# Altium PCB bms_R00.PcbDoc (part 1 of 3) (continued)
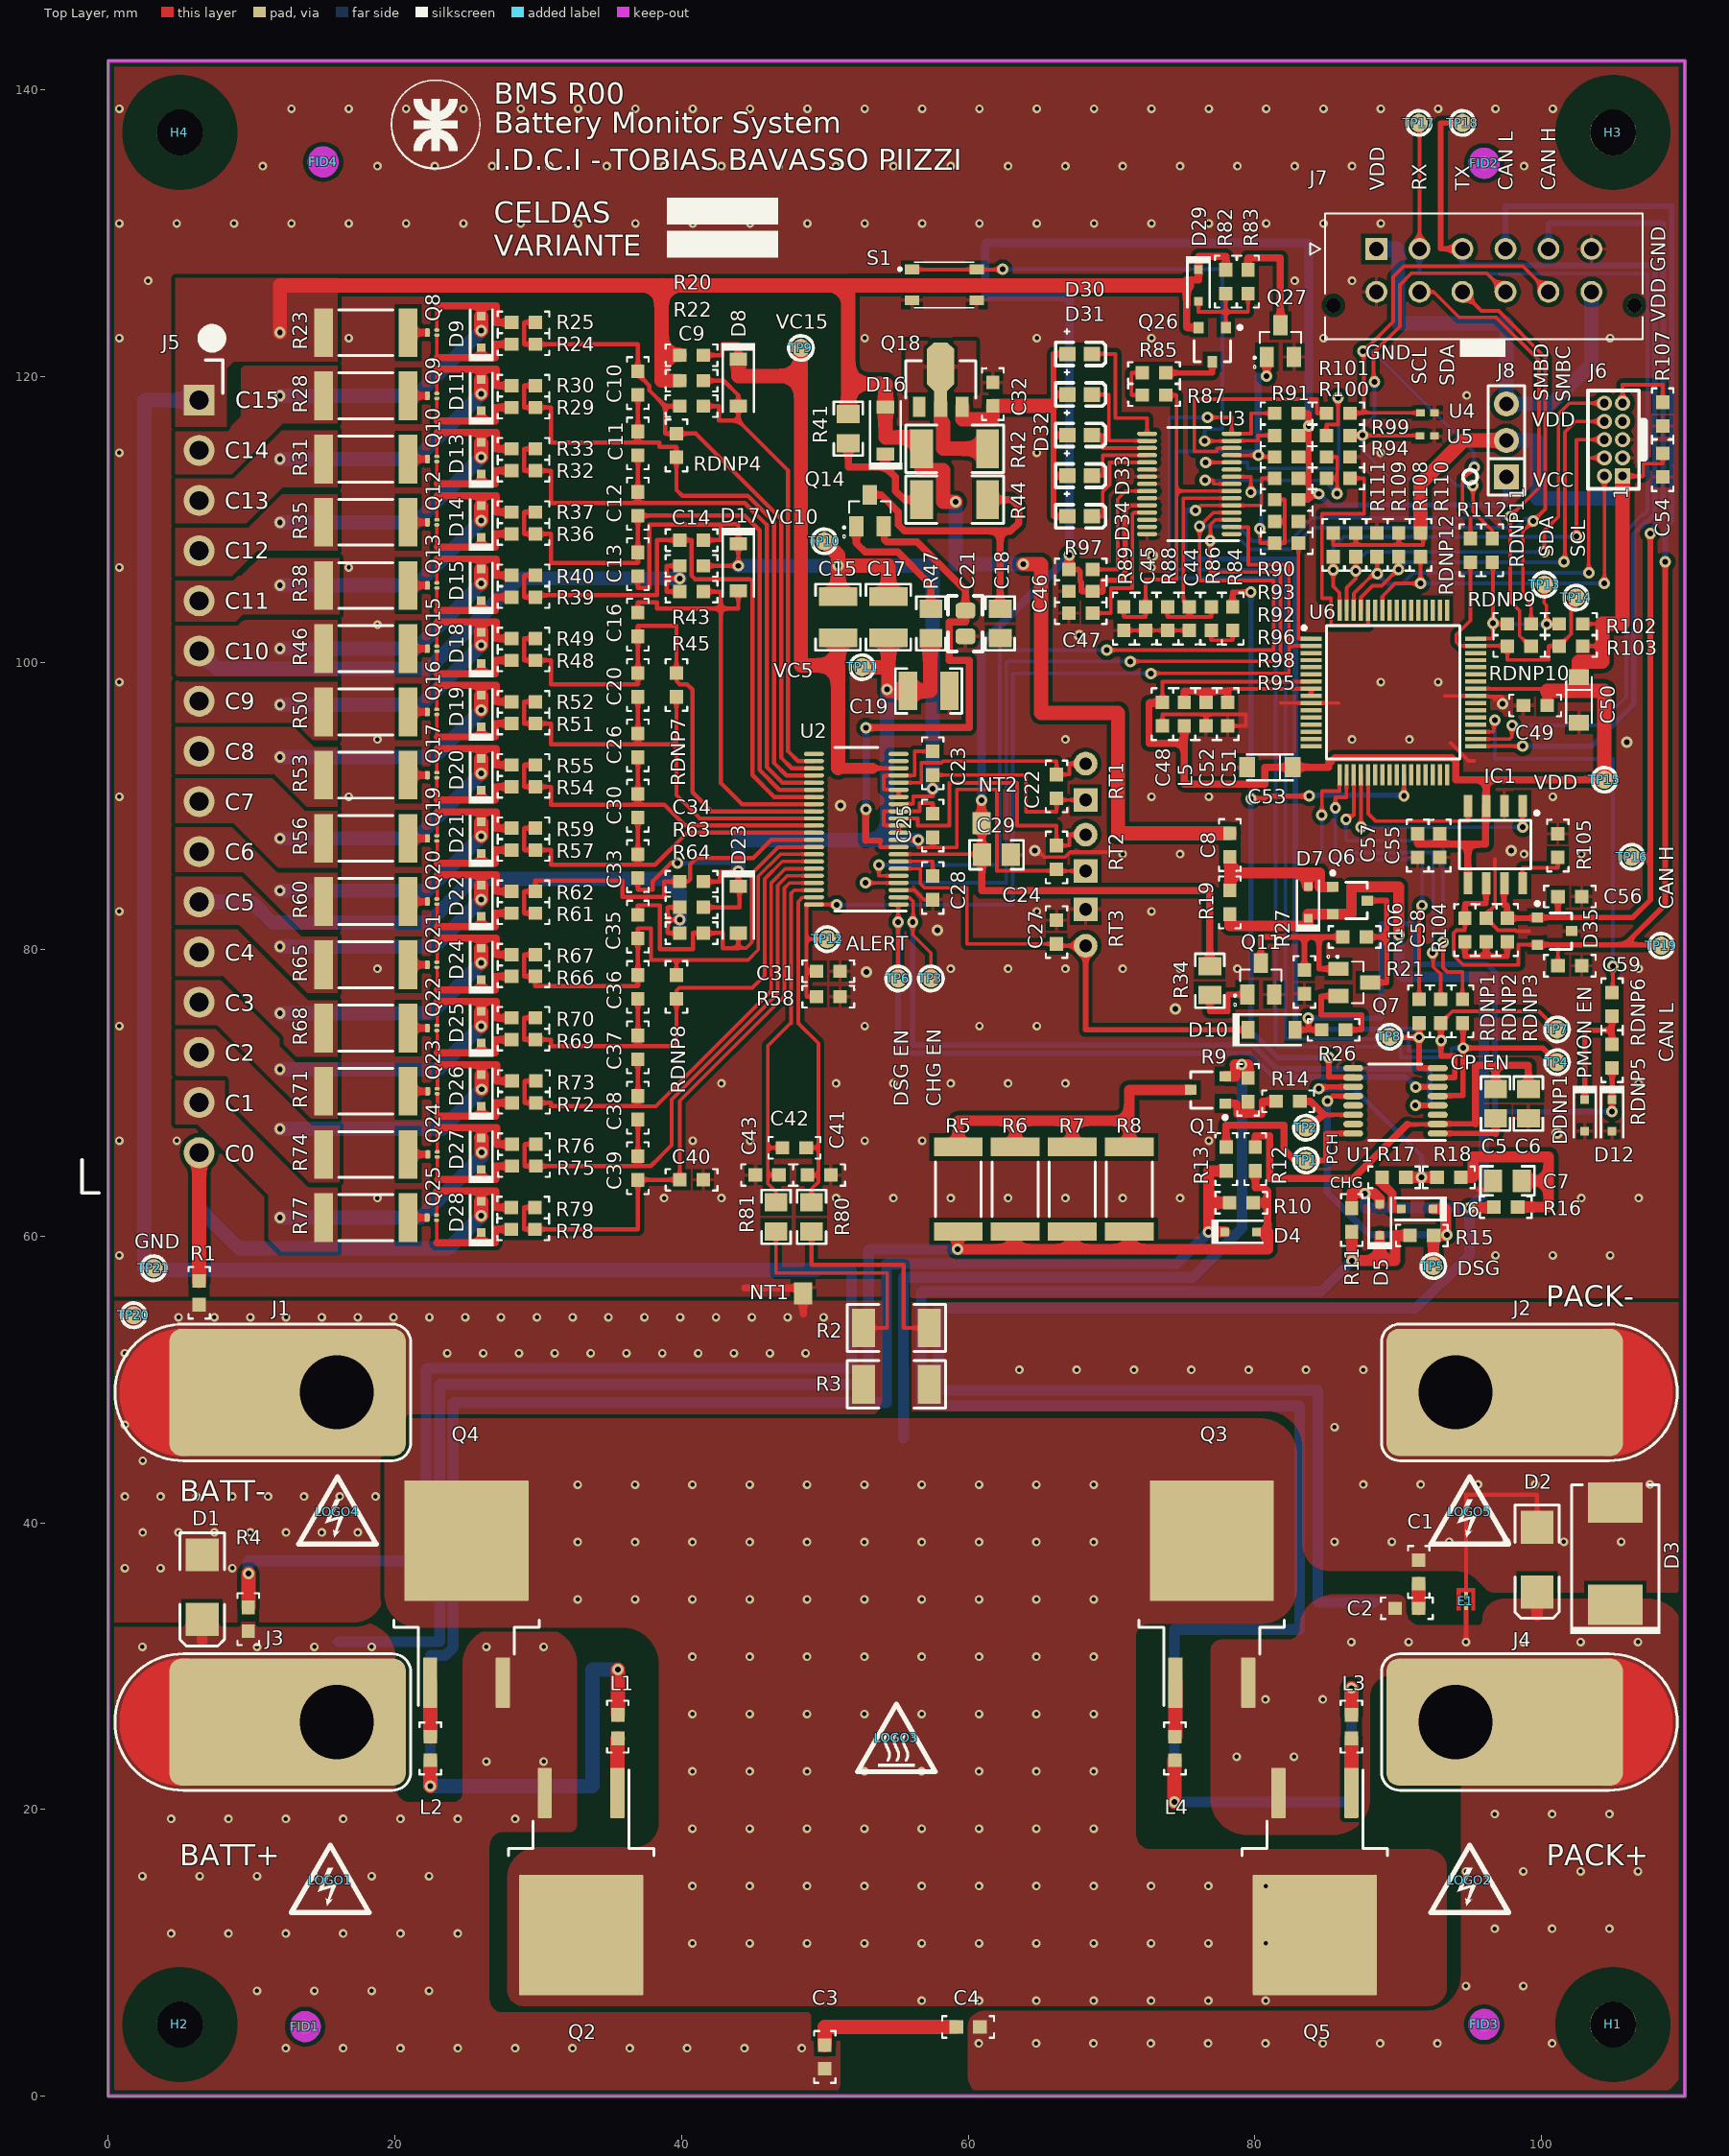
[diagram p0: Top Layer view]
## Components (designator, comment, footprint, x,y, rotation, side; value= is the part's Value field where it differs from the comment) (continued)
LOGO4 "DANGER HIGH VOLTAGE" IEC_HighVoltage_Small 16.002,40.742 r0 top
LOGO5 "DANGER HIGH VOLTAGE" IEC_HighVoltage_Small 95,40.742 r0 top
NT1 "Net-Tie" Net-Tie_50milWide_30milLong 48.489,56.007 r270 top net-tie
NT2 "Net-Tie" Net-Tie_50milWide_30milLong 60.935,88.798 r90 top net-tie
Q1 "ZXMP10A13FTA" SOT-23#1 76.733,70.206 r90 top value=-100V
Q2 "CSD19536KTT" KTT0002A_N 33,15 r270 top value=100V
Q3 "CSD19536KTT" KTT0002A_N 77,35 r90 top value=100V
Q4 "CSD19536KTT" KTT0002A_N 25,35 r90 top value=100V
Q5 "CSD19536KTT" KTT0002A_N 84.19,15 r270 top value=100V
Q6 "ZXMP10A13FTA" SOT-23#1 86.639,83.414 r270 top value=-100V
Q7 "BSS123" SOT-23#2 86.936,77.699 r270 top value=100V
Q8 "CSD13381F4" YJC0003A 22.606,123.038 r180 top value=12V
Q9 "CSD13381F4" YJC0003A 22.606,118.627 r180 top value=12V
Q10 "CSD13381F4" YJC0003A 22.606,114.217 r180 top value=12V
Q11 "BSS123" SOT-23#2 80.416,77.953 r0 top value=100V
Q12 "CSD13381F4" YJC0003A 22.606,109.806 r180 top value=12V
Q13 "CSD13381F4" YJC0003A 22.606,105.395 r180 top value=12V
Q14 "BST82,215" SOT-23#2 53.147,110.617 r0 top value=100V
Q15 "CSD13381F4" YJC0003A 22.606,100.985 r180 top value=12V
Q16 "CSD13381F4" YJC0003A 22.606,96.574 r180 top value=12V
Q17 "CSD13381F4" YJC0003A 22.606,92.164 r180 top value=12V
Q18 "ZXTN19100CZTA" SOT-89-3 58.086,119.761 r90 top value="100 V"
Q19 "CSD13381F4" YJC0003A 22.606,87.753 r180 top value=12V
Q20 "CSD13381F4" YJC0003A 22.606,83.343 r180 top value=12V
Q21 "CSD13381F4" YJC0003A 22.606,78.932 r180 top value=12V
Q22 "CSD13381F4" YJC0003A 22.606,74.522 r180 top value=12V
Q23 "CSD13381F4" YJC0003A 22.631,70.111 r180 top value=12V
Q24 "CSD13381F4" YJC0003A 22.631,65.701 r180 top value=12V
Q25 "CSD13381F4" YJC0003A 22.581,61.29 r180 top value=12V
Q26 "ZXMP10A13FTA" SOT-23#1 77.038,122.192 r180 top value=-100V
Q27 "BSS123" SOT-23#2 81.788,122.445 r0 top value=100V
R1 "0R" R0603 6.35,56.046 r90 top
R2 "1.0mR" 2010 55,53.594 r0 top
R3 "1.0mR" 2010 55,49.657 r0 top
R4 "0R" R0603 9.779,33.274 r90 top
R5 "1.2K" 2512 59.309,63.272 r270 top
R6 "1.2K" 2512 63.288,63.272 r270 top
R7 "1.2K" 2512 67.268,63.272 r270 top
R8 "1.2K" 2512 71.247,63.272 r270 top
R9 "10.0M" R0603 79.527,70.206 r90 top
R10 "10.0M" R0603 79.058,62.332 r0 top
R11 "10.0M" R0603 86.766,61.125 r90 top
R12 "100.0R" R0603 80.035,65.38 r270 top
R13 "620.0R" R0603 78.003,65.38 r90 top
R14 "620.0R" R0603 82.321,69.405 r0 top
R15 "620.0R" R0603 91.655,60.046 r0 top
R16 "100.0R" R0603 97.511,62.027 r180 top
R17 "100.0R" R0603 89.713,64.11 r180 top
R18 "0R" R0603 93.542,64.11 r180 top
R19 "10.0M" R0603 78.257,83.287 r270 top
R20 "1.0K" R0603 40.704,121.463 r0 top
R21 "1.0M" R0603 86.956,80.874 r0 top
R22 "1.0K" R0603 40.704,119.685 r0 top
R23 "28.7R" 2512 17.983,123.038 r180 top
R24 "10.0K" R0603 28.981,122.225 r0 top
R25 "1.0K" R0603 28.981,123.749 r0 top
R26 "51.0K" R0603 85.496,74.397 r0 top
R27 "10.0M" R0603 83.464,77.737 r90 top
R28 "28.7R" 2512 17.983,118.627 r180 top
R29 "10.0K" R0603 28.981,117.814 r0 top
R30 "1.0K" R0603 28.981,119.338 r0 top
R31 "28.7R" 2512 17.983,114.217 r180 top
R32 "10.0K" R0603 28.981,113.404 r0 top
R33 "1.0K" R0603 28.981,114.928 r0 top
R34 "100.0K" 0805_HV_2 76.86,77.826 r90 top
R35 "28.7R" 2512 17.983,109.806 r180 top
R36 "10.0K" R0603 28.981,108.993 r0 top
R37 "1.0K" R0603 28.981,110.517 r0 top
R38 "28.7R" 2512 17.983,105.395 r180 top
R39 "10.0K" R0603 28.981,104.583 r0 top
R40 "1.0K" R0603 28.981,106.107 r0 top
R41 "100.0K" 0805_HV_2 51.645,116.332 r90 top
R42 "750.0R" 2010 59.055,114.935 r180 top
R43 "1.0K" R0603 40.704,106.764 r0 top
R44 "1.00K" 2010 59.055,111.379 r180 top
R45 "1.0K" R0603 40.704,104.969 r0 top
R46 "28.7R" 2512 17.983,100.985 r180 top
R47 "100.0K" 0805_HV_2 57.404,102.743 r90 top
R48 "10.0K" R0603 28.981,100.172 r0 top
R49 "1.0K" R0603 28.981,101.696 r0 top
R50 "28.7R" 2512 17.983,96.574 r180 top
R51 "10.0K" R0603 28.981,95.762 r0 top
R52 "1.0K" R0603 28.981,97.286 r0 top
R53 "28.7R" 2512 17.983,92.164 r180 top
R54 "10.0K" R0603 28.981,91.351 r0 top
R55 "1.0K" R0603 28.981,92.875 r0 top
R56 "28.7R" 2512 17.983,87.753 r180 top
R57 "10.0K" R0603 28.981,86.941 r0 top
R58 "499.0K" R0603 50.241,76.708 r180 top
R59 "1.0K" R0603 28.981,88.465 r0 top
R60 "28.7R" 2512 17.983,83.343 r180 top
R61 "10.0K" R0603 28.981,82.53 r0 top
R62 "1.0K" R0603 28.981,84.054 r0 top
R63 "1.0K" R0603 40.704,82.939 r0 top
R64 "1.0K" R0603 40.704,81.143 r0 top
R65 "28.7R" 2512 17.983,78.932 r180 top
R66 "10.0K" R0603 28.981,78.12 r0 top
R67 "1.0K" R0603 28.981,79.644 r0 top
R68 "28.7R" 2512 17.983,74.522 r180 top
R69 "10.0K" R0603 28.981,73.709 r0 top
R70 "1.0K" R0603 28.981,75.233 r0 top
R71 "28.7R" 2512 17.983,70.111 r180 top
R72 "10.0K" R0603 29.007,69.298 r0 top
R73 "1.0K" R0603 29.007,70.822 r0 top
R74 "28.7R" 2512 17.983,65.701 r180 top
R75 "10.0K" R0603 29.007,64.888 r0 top
R76 "1.0K" R0603 29.007,66.412 r0 top
R77 "28.7R" 2512 17.983,61.29 r180 top
R78 "10.0K" R0603 28.956,60.477 r0 top
R79 "1.0K" R0603 28.956,62.001 r0 top
R80 "1.0K" 0805_HV_2 49.073,61.341 r90 top
R81 "1.0K" 0805_HV_2 46.596,61.341 r90 top
R82 "100.0K" R0603 77.978,126.594 r270 top
R83 "220.0K" R0603 79.527,126.594 r270 top
R84 "300.0K 25ppm/°C" R0603 78.46,103.085 r270 top
R85 "300.0K 25ppm/°C" R0603 72.974,120.23 r180 top
R86 "300.0K 25ppm/°C" R0603 76.962,103.085 r90 top
R87 "300.0K 25ppm/°C" R0603 72.974,118.681 r0 top
R88 "100.0K" R0603 73.914,103.085 r270 top
R89 "100.0K" R0603 70.866,103.085 r270 top
R90 "100.0K" R0603 82.22,115.862 r0 top
R91 "510.0K" R0603 82.22,117.411 r180 top
R92 "510.0K" R0603 82.22,112.878 r180 top
R93 "113.0K" R0603 82.22,114.363 r180 top
R94 "1.0K" R0603 85.827,112.878 r0 top
R95 "1.0K" R0603 82.22,108.356 r0 top
R96 "1.0M" R0603 82.22,111.379 r180 top
R97 "100.0K" R0603 67.857,106.514 r180 top
R98 "0R" R0603 82.22,109.855 r0 top
R99 "0R" R0603 85.827,114.363 r0 top
R100 "100.0R" R0603 85.826,115.862 r0 top
R101 "100.0R" R0603 85.826,117.411 r0 top
R102 "10.0K" R0603 102.057,102.718 r180 top
R103 "10.0K" R0603 102.057,101.168 r180 top
R104 "61.9R" R0603 97.612,81.356 r90 top
R105 "4.7K" R0603 101.143,87.249 r270 top
R106 "61.9R" R0603 94.666,81.356 r270 top
R107 "12.0K" R0603 108.458,117.348 r270 top
R108 "12.0K" R0603 88.519,108.229 r90 top
R109 "12.0K" R0603 87.046,108.229 r90 top
R110 "12.0K" R0603 90.043,108.229 r90 top
R111 "12.0K" R0603 85.471,108.229 r90 top
R112 "12.0K" R0603 91.567,108.229 r90 top
RDNP1 "0R" R0603 91.465,75.692 r270 top
RDNP2 "0R" R0603 92.964,75.692 r270 top
RDNP3 "0R" R0603 94.488,75.692 r270 top
RDNP4 "0.0R" R0603 39.649,115.164 r90 top
RDNP5 "1.0K" R0603 104.927,72.555 r270 top
RDNP6 "1.0K" R0603 104.927,76.175 r270 top
RDNP7 "0.0R" R0603 39.649,98.453 r90 top
RDNP8 "0.0R" R0603 39.649,77.385 r90 top
RDNP9 "0R" R0603 98.45,102.718 r180 top
RDNP10 "0R" R0603 98.45,101.168 r180 top
RDNP11 "0R" R0603 96.571,107.848 r270 top
RDNP12 "0R" R0603 95.047,107.848 r270 top
RT1 "103AT-2" Thermistor_103AT-2 68.199,91.694 r90 top value=10.0K
RT2 "103AT-2" Thermistor_103AT-2 68.199,86.741 r90 top value=10.0K
RT3 "103AT-2" Thermistor_103AT-2 68.199,81.534 r270 top value=10.0K
S1 "PTS815" PTS815SJK250SMTRLFS 58.344,126.365 r0 top
TP1 "Test Point" "TEST POINT SMD 1" 83.566,65.278 r0 top
TP2 "Test Point" "TEST POINT SMD 1" 83.566,67.564 r90 top
TP3 "Test Point" "TEST POINT SMD 1" 57.404,77.978 r90 top
TP4 "Test Point" "TEST POINT SMD 1" 101.092,72.136 r90 top
TP5 "Test Point" "TEST POINT SMD 1" 92.456,57.912 r90 top
TP6 "Test Point" "TEST POINT SMD 1" 55.118,77.978 r90 top
TP7 "Test Point" "TEST POINT SMD 1" 101.092,74.422 r90 top
TP8 "Test Point" "TEST POINT SMD 1" 89.408,73.914 r90 top
TP9 "Test Point" "TEST POINT SMD 1" 48.336,121.971 r90 top
TP10 "Test Point" "TEST POINT SMD 1" 49.962,108.483 r90 top
TP11 "Test Point" "TEST POINT SMD 1" 52.603,99.695 r90 top
TP12 "Test Point" "TEST POINT SMD 1" 50.165,80.721 r90 top
TP13 "Test Point" "TEST POINT SMD 1" 100.203,105.461 r90 top
TP14 "Test Point" "TEST POINT SMD 1" 102.413,104.546 r90 top
TP15 "Test Point" "TEST POINT SMD 1" 104.394,91.846 r90 top
TP16 "Test Point" "TEST POINT SMD 1" 106.299,86.462 r90 top
TP17 "Test Point" "TEST POINT SMD 1" 91.44,137.668 r90 top
TP18 "Test Point" "TEST POINT SMD 1" 94.488,137.668 r90 top
TP19 "Test Point" "TEST POINT SMD 1" 108.356,80.264 r90 top
TP20 "Test Point" "TEST POINT SMD 1" 1.778,54.483 r90 top
TP21 "Test Point" "TEST POINT SMD 1" 3.175,57.76 r90 top
U1 "BQ76200PWR" PW0016A_N 89.814,69.444 r180 top
U2 "BQ7694000DBTR" DBT0044A_N 52.197,88.392 r180 top
U3 "BQ78350DBTR-R1" DBT0030A_N 75.438,112.483 r180 top
U4 "TPD1E10B06DPYT" DPY0002A 92.05,117.436 r180 top
U5 "TPD1E10B06DPYT" DPY0002A 92.024,115.824 r180 top
U6 "FS32K118LAT0MLHT" LQFP64-NXP 89.66,97.937 r0 top

## Footprints (in the part's own frame and the unit in brackets; to place one, negate y for a bottom-side part, rotate by r counter-clockwise, add the part's x,y. Pads: shape width x height; smd on the part's side, far side on the other; paste and mask are expansions set on the pad)
"0603 FB" [mm]
  rect 0.95x0.925 smd mask+0.051: 1(-0.825,0) 2(0.825,0)
  silkscreen extent -1.8,-0.75 1.81,0.75, body extent -0.8,-0.43 0.8,0.4, height 0.8
0805 [mm] "Chip Resistor; Body 2.0 x 1.3 mm (LxW typ)"
  rrect50% 1.1x1.4 smd: 1(-0.9,0) 2(0.9,0)
  silkscreen extent -1.95,-1.19 1.92,1.22, body extent -1,-0.62 1,0.63, height 0.78
0805_HV_2 [mil]
  rect 50x63 smd: 1(-40,0) 2(40,0)
  silkscreen extent -74,-40 74,40, body extent -43,-29 43,29, height 57
"1206 Cap Tant" [mm]
  rect 1.1x1.4 smd mask+0.076: 1(1.6,0) 2(-1.6,0)
  silkscreen extent -1.6,-0.9 1.6,0.9, body extent -1.73,-0.9 1.67,0.9, height 1.81
1210_270 [mm]
  rect 1.3x2.7 smd: 1(-1.45,0) 2(1.45,0)
  silkscreen extent -2.32,-1.57 2.32,1.57, body extent -1.7,-1.35 1.7,1.35, height 2.7
2010 [mm]
  rect 1.6x2.7 smd: 1(-2.3,0) 2(2.3,0)
  silkscreen extent -3.42,-1.65 3.42,1.65, body extent -2.73,-1.45 2.73,1.45, height 1.66
2512 [mm]
  rect 1.3x3.4 smd: 1(-2.95,0) 2(2.95,0)
  silkscreen extent -1.9,-1.6 1.9,1.6, body extent -3.22,-1.67 3.22,1.67, height 0.71
C0603 [mm]
  rect 0.95x0.925 smd mask+0.051: 1(-0.825,0) 2(0.825,0)
  silkscreen extent -1.81,-0.75 1.81,0.75, body extent -1,-0.39 1,0.39, height 0.79
DBT0030A_N [mm]
  oval 1.4x0.3 smd: 1(-2.95,3.5) 2(-2.95,3) 3(-2.95,2.5) 4(-2.95,2) 5(-2.95,1.5) 6(-2.95,1) 7(-2.95,0.5) 8(-2.95,0) 9(-2.95,-0.5) 10(-2.95,-1) 11(-2.95,-1.5) 12(-2.95,-2) 13(-2.95,-2.5) 14(-2.95,-3) 15(-2.95,-3.5) 16(2.95,-3.5) 17(2.95,-3) 18(2.95,-2.5) 19(2.95,-2) 20(2.95,-1.5) 21(2.95,-1) 22(2.95,-0.5) 23(2.95,0) 24(2.95,0.5) 25(2.95,1) 26(2.95,1.5) 27(2.95,2) 28(2.95,2.5) 29(2.95,3) 30(2.95,3.5)
  silkscreen extent -3.42,-3.95 1.5,3.95, body extent -3.21,-3.9 3.21,3.9, height 1.2
DBT0044A_N [mm]
  oval 1.4x0.3 smd: 1(-2.95,5.25) 2(-2.95,4.75) 3(-2.95,4.25) 4(-2.95,3.75) 5(-2.95,3.25) 6(-2.95,2.75) 7(-2.95,2.25) 8(-2.95,1.75) 9(-2.95,1.25) 10(-2.95,0.75) 11(-2.95,0.25) 12(-2.95,-0.25) 13(-2.95,-0.75) 14(-2.95,-1.25) 15(-2.95,-1.75) 16(-2.95,-2.25) 17(-2.95,-2.75) 18(-2.95,-3.25) 19(-2.95,-3.75) 20(-2.95,-4.25) 21(-2.95,-4.75) 22(-2.95,-5.25) 23(2.95,-5.25) 24(2.95,-4.75) 25(2.95,-4.25) 26(2.95,-3.75) 27(2.95,-3.25) 28(2.95,-2.75) 29(2.95,-2.25) 30(2.95,-1.75) 31(2.95,-1.25) 32(2.95,-0.75) 33(2.95,-0.25) 34(2.95,0.25) 35(2.95,0.75) 36(2.95,1.25) 37(2.95,1.75) 38(2.95,2.25) 39(2.95,2.75) 40(2.95,3.25) 41(2.95,3.75) 42(2.95,4.25) 43(2.95,4.75) 44(2.95,5.25)
  silkscreen extent -3.47,-5.7 1.5,5.7, body extent -3.21,-5.57 3.21,5.58, height 1.2
DO-214AB(SMA) [mm]
  rect 2.3x2.3 smd: A(-2.25,0) K(2.25,0)
  silkscreen extent -3.8,-1.55 4.1,1.55, body extent -2.82,-1.4 2.67,1.4, height 2.29
DPY0002A [mm]
  rect 0.6x0.5 smd: 1(-0.5,0) 2(0.5,0)
  body extent -0.55,-0.35 0.55,0.35, height 0.4
Fiducial10-20 [mm]
  round 1 smd mask+0.5: 1(0,0)
  Top Layer keep-out circle w1.178: c0,0 r0.5
HEADER_395021016 [mil]
  rect 85x85 hole 52: 1(-688.98,137.8)
  round 85 hole 52: 2(-551.18,137.8) 3(-413.39,137.8) 4(-275.59,137.8) 5(-137.8,137.8) 6(0,137.8) 7(137.8,137.8) 8(275.59,137.8) 9(413.39,137.8) 10(551.18,137.8) 11(688.98,137.8) 12(826.77,137.8) 13(964.57,137.8) 14(1102.36,137.8) 15(1240.16,137.8) 16(1377.95,137.8)
  silkscreen extent -879,-184 1488,203, body extent -785,-170 1475,190, height 270
IEC_HighVoltage_Small [mm]
  silkscreen extent -2.72,-2.24 2.72,2.47
IEC_HotSurface_Small [mm]
  silkscreen extent -2.72,-2.36 2.72,2.35
Keystone_1902C [mm]
  body extent -3.68,-3.2 3.71,3.2, height 12.73
KTT0002A_N [mm]
  rrect10% 3.5x1 smd: 1(-6.15,2.54) 3(-6.15,-2.54)
  rrect1% 8.4x8.65 smd paste-4.2: 2(3.75,0)
  silkscreen extent -7.75,-5.07 -1.78,5.07, body extent -6.68,-5.08 7.62,5.08, height 4.72
LED0603-G [mil] "Diode; Body 1.6 x 0.8 mm (LxW typ)"
  rect 44x40 smd: 1(-33.47,0) 2(33.47,0)
  silkscreen extent -71,-67 66,32, body extent -31,-16 32,16, height 24
LED0603-R [mil] "Diode; Body 1.6 x 0.8 mm (LxW typ)"
  rect 44x40 smd: 1(-33.47,0) 2(33.47,0)
  silkscreen extent -71,-67 66,32, body extent -31,-16 32,16, height 24
LED0603-Y [mil] "Diode; Body 1.6 x 0.8 mm (LxW typ)"
  rect 44x40 smd: 1(-33.47,0) 2(33.47,0)
  silkscreen extent -71,-67 66,32, body extent -31,-16 32,16, height 24
LQFP64-NXP [mm]
  rect 1.475x0.3 smd paste-0.03 mask+0.055: 1(-5.738,3.75) 2(-5.738,3.25) 3(-5.738,2.75) 4(-5.738,2.25) 5(-5.738,1.75) 6(-5.738,1.25) 7(-5.738,0.75) 8(-5.738,0.25) 9(-5.738,-0.25) 10(-5.738,-0.75) 11(-5.738,-1.25) 12(-5.738,-1.75) 13(-5.738,-2.25) 14(-5.738,-2.75) 15(-5.738,-3.25) 16(-5.738,-3.75) 33(5.738,-3.75) 34(5.738,-3.25) 35(5.738,-2.75) 36(5.738,-2.25) 37(5.738,-1.75) 38(5.738,-1.25) 39(5.738,-0.75) 40(5.738,-0.25) 41(5.738,0.25) 42(5.738,0.75) 43(5.738,1.25) 44(5.738,1.75) 45(5.738,2.25) 46(5.738,2.75) 47(5.738,3.25) 48(5.738,3.75)
  rect 0.3x1.475 smd paste-0.03 mask+0.055: 17(-3.75,-5.738) 18(-3.25,-5.738) 19(-2.75,-5.738) 20(-2.25,-5.738) 21(-1.75,-5.738) 22(-1.25,-5.738) 23(-0.75,-5.738) 24(-0.25,-5.738) 25(0.25,-5.738) 26(0.75,-5.738) 27(1.25,-5.738) 28(1.75,-5.738) 29(2.25,-5.738) 30(2.75,-5.738) 31(3.25,-5.738) 32(3.75,-5.738) 49(3.75,5.738) 50(3.25,5.738) 51(2.75,5.738) 52(2.25,5.738) 53(1.75,5.738) 54(1.25,5.738) 55(0.75,5.738) 56(0.25,5.738) 57(-0.25,5.738) 58(-0.75,5.738) 59(-1.25,5.738) 60(-1.75,5.738) 61(-2.25,5.738) 62(-2.75,5.738) 63(-3.25,5.738) 64(-3.75,5.738)
  silkscreen extent -6.35,-4.65 4.65,4.65, body extent -6,-6 6,6, height 1.6
MOLEX_430451212 [mm]
  rect 1.52x1.52 / inner round 1.52 / far side rect 1.52x1.52 hole 1.02 mask+0.076: 1(0,0)
  round 1.52 hole 1.02 mask+0.076: 2(-3,0) 3(-6,0) 4(-9,0) 5(-12,0) 6(-15,0) 7(0,3) 8(-3,3) 9(-6,3) 10(-9,3) 11(-12,3) 12(-15,3)
  round 1.02 hole 1.02 unplated mask+0.076: ""(-18,3.94) ""(3,3.94)
  silkscreen extent -18.57,-2.47 4.63,7.54, body extent -18.59,-2.48 3.56,6.29, height 9.91
Net-Tie_50milWide_30milLong [mil]
  rect 30x50 smd paste-20 mask-20: 1(-15,0) 2(15,0)
"NY PMS 440 0025 PH" [mm]
  round 3.2 hole 3.2 unplated: 1(0,0)
  body extent -3.3,-3.3 3.3,3.3, height 2.69
PAD10-2X05-HH [mil] "Header 2x5 paso 0.05\""
  rect 42x42 hole 24: 1(0,0)
  round 42 hole 24: 2(0,50) 3(50,0) 4(50,50) 5(100,0) 6(100,50) 7(150,0) 8(150,50) 9(200,0) 10(200,50)
  silkscreen extent -35,-60 235,95, body extent -25,-33 225,85, height 185
PTS815SJK250SMTRLFS [mm]
  rect 1x0.7 smd: 1(-2.25,1.075) 2(2.25,1.075) 3(-2.25,-1.075) 4(2.25,-1.075)
  silkscreen extent -3.2,-1.6 2.07,1.6, body extent -2.3,-1.6 2.3,2.03, height 2.5
PW0016A_N [mm]
  oval 1.4x0.45 smd: 1(-2.95,2.275) 2(-2.95,1.625) 3(-2.95,0.975) 4(-2.95,0.325) 5(-2.95,-0.325) 6(-2.95,-0.975) 7(-2.95,-1.625) 8(-2.95,-2.275) 9(2.95,-2.275) 10(2.95,-1.625) 11(2.95,-0.975) 12(2.95,-0.325) 13(2.95,0.325) 14(2.95,0.975) 15(2.95,1.625) 16(2.95,2.275)
  silkscreen extent -3.5,-2.55 1.85,2.75, body extent -3.21,-2.5 3.21,2.5, height 1
R0603 [mm]
  rect 0.95x0.925 smd mask+0.051: 1(-0.825,0) 2(0.825,0)
  silkscreen extent -1.81,-0.75 1.81,0.75, body extent -1,-0.39 1,0.39, height 0.79
SIP3 [mm]
  rect 1.75x1.75 hole 1.016: 1(-2.54,0)
  round 1.75 hole 1.016: 2(0,0) 3(2.54,0)
  silkscreen extent -3.81,-1.27 3.81,3.04, body extent -3.81,-1.3 3.81,1.24, height 8.38
SMC [mil]
  rect 110x150 smd: 1(-140.49,0) 2(140.49,0)
  silkscreen extent -221,-123 189,124, body extent -156,-116 156,116, height 91
SOD-123 [mm]
  rect 0.915x1.22 smd: 1(-1.637,0) 2(1.637,0)
  silkscreen extent -2.74,-1.17 2.03,1.17, body extent -1.93,-0.9 1.93,0.9, height 1.35
sod-323 [mm]
  rect 0.6x0.6 smd paste-0.05: 1(-1.1,0) 2(1.1,0)
  silkscreen extent -2.06,-0.86 1.53,0.86, body extent -1.3,-0.67 1.3,0.68, height 1.1
SOIC8 [mm]
  rect 1.55x0.6 smd mask+0.076: 1(-2.7,1.905) 2(-2.7,0.635) 3(-2.7,-0.635) 4(-2.7,-1.905) 5(2.7,-1.905) 6(2.7,-0.635) 7(2.7,0.635) 8(2.7,1.905)
  silkscreen extent -2.32,-2.5 1.7,3.02, body extent -3.05,-2.51 2.96,2.49, height 1.75
SOT-23#1 [mm] "SOT-23; 3 Leads; Body 3.0 x 2.5 mm, inc. leads (LxW max)"
  rect 0.7x0.8 smd: 1(-0.95,-1.2) 2(0.95,-1.2) 3(0,1.2)
  silkscreen extent -2.05,-1.32 1.28,1.2, body extent -1.52,-1.4 1.48,1.24, height 1.08
SOT-23#2 [mm]
  rect 1x1.4 smd: 1(-0.95,-1.1) 2(0.95,-1.1) 3(0,1.1)
  silkscreen extent -1.9,-1.9 1.45,0.65, body extent -1.46,-1.18 1.46,1.18, height 1.11
SOT-89-3 [mm]
  rect 1.4x0.9 smd: 1(-1.9,1.5) 3(-1.9,-1.5)
  rect 1.8x0.9 smd: 2(-1.7,0)
  oct 3.4x1.9 smd: 4(0.9,0)
  silkscreen extent -1.3,-2.45 1.33,2.45, body extent -2.42,-2.28 1.83,2.32, height 1.62
SPARK_GAP2 [mil]
  rect 10x20 smd: 1(0,20) 2(0,-10)
  Top Layer region: -15,30 -25,30 -25,-30 25,-30 25,30 15,30 15,-20 -15,-20
TB_L35 [mm]
  rrect20% 16.51x8.89 hole 5.16 copper offset 3.429,0: 1(0,0)
  Multi-Layer circle w4.47: c10.7,0 r2.235
  silkscreen extent -5.16,-4.76 15.48,4.76, body extent -5.16,-4.76 15.48,4.76, height 9.53
"TEST POINT SMD 1" [mm]
  round 1.27 smd: 1(0,0)
  silkscreen extent -0.85,-0.85 0.85,0.85
Thermistor_103AT-2 [mil]
  rect 65x65 hole 35: 1(-50,0)
  round 65 hole 35: 2(50,0)
  body extent -78,-47 79,47, height 338
YJC0003A [mm]
  rrect50% 0.25x0.2 on Top Paste: 0(-0.325,0.2) 0(-0.325,-0.2)
  rrect80% 0.35x0.25 smd paste-0.13 mask-0.05: 1(-0.325,0.175) 2(-0.325,-0.175)
  rrect57% 0.35x0.6 smd paste-0.05 mask-0.05: 3(0.325,0)
  body extent -0.5,-0.3 0.5,0.3, height 0.35

## Part data
C1 C2 C3 C4 C8 C9 C10 C11 C12 C13 C14 C16 C20 C22 C23 C24 C25 C26 C27 C28 C30 C31 C32 C33 C34 C35 C36 C37 C38 C39 C40 C41 C42 C43 C44 C45 C46 C47 C48 C49 C51 C52 C54 C55 C56 C57 C58 C59: library part "Cap 0603", "Capacitor"
C5 C6 C7 C18 C29: library part "Cap 0805_HV", "Capacitor"
C15 C17 C19: library part "Cap 1210", "Capacitor"
C21: library part "Cap 0805", "Capacitor"
C50 C53: library part "Cap Pol Tantalio", "Polarized Capacitor Tantalium"
D1 D2: "TVS DIODE 22VWM 35.5VC DO214AC. / BIDIRECCIONAL"
D3: "Diode, Ultrafast, 200V, 3A, SMC", Manufacturer=Vishay-Semiconductor, Supplier Part Number 1=ES3D-E3/57TGICT-ND, Value1=3A, Value2=0.9V, ComponentLink1Description="Datasheet link", ComponentLink1URL=http://www.vishay.com/docs/88589/88589.pdf, CompType=Diode, Io_A=3, LatestRevisionDate=2014-01-31, MountType=SMT, PackageReference=SMC, PartNumber=ES3D-E3/57T, Published=2008-06-26, Publisher="Texas Instruments", RoHS=Y, Supplier 1=Digi-Key, Supplier 2=Mouser, Supplier 3=Farnell, Supplier Part Number 2=625-ES3D-E3, Supplier Part Number 3=1021753, SymbolVersion=2008-12-08, TJmax_C=150, Type=Ultrafast, U/M=EA, Vf_V=0.9, Vr_V=200
D4 D5 D6: "Diode, Zener, 16 V, 200 mW, SOD-323", Manufacturer="Diodes Inc.", Power_W=0.2, Supplier Part Number 1=MMSZ5246BS-FDICT-ND, Value1=0.2W, AEC Category=Q101, AEC Qualified=?, ComponentLink1Description="Datasheet link", ComponentLink1URL=http://www.diodes.com/datasheets/ds31038.pdf, CompType=Zener, LatestRevisionDate=2016-02-26, LatestRevisionNote="Updated Supplier Data", MountType=SMT, PackageReference=SOD-323, PartNumber=MMSZ5246BS-7-F, Published=2008-10-08, Publisher="Texas Instruments", RJA_CperW=350, RoHS=Y, Supplier 1=Digi-Key, Supplier 2=Mouser, Supplier Part Number 2=621-MMSZ5246BS-7-F, SymbolCreator=a0412235, SymbolVersion=2010-08-25, U/M=EA, Vr_V=N/A, Vz_V=16
D7 D29: "Diode, Zener, 18 V, 200 mW, SOD-323", Manufacturer="Diodes Inc.", Power_W=0.2, Supplier Part Number 1=MMSZ5248BS-FDICT-ND, Value1=0.2W, AEC Category=Q101, AEC Qualified=?, ComponentLink1Description="Datasheet link", ComponentLink1URL=http://www.diodes.com/datasheets/ds31038.pdf, CompType=Zener, LatestRevisionDate=2016-01-12, LatestRevisionNote="Updated Supplier Data", MountType=SMT, PackageReference=SOD-323, PartNumber=MMSZ5248BS-7-F, Published=2008-10-08, Publisher="Texas Instruments", RJA_CperW=350, RoHS=Y, Supplier 1=Digi-Key, Supplier 2=Mouser, Supplier 3=Farnell, Supplier Part Number 2=621-MMSZ5248BS-F, Supplier Part Number 3=1858632, SymbolCreator=a0412235, SymbolVersion=2010-08-25, U/M=EA, Vr_V=N/A, Vz_V=18
D8 D10 D16 D17 D23: "Diode, Ultrafast, 100V, 0.15A, SOD-123", Manufacturer="Diodes Inc.", Supplier Part Number 1=1N4148W-FDICT-ND, Value1=0.15A, Value2=1.25V, ComponentLink1Description="Datasheet link", ComponentLink1URL=http://www.diodes.com/datasheets/ds30086.pdf, CompType=Diode, Io_A=0.15, LatestRevisionDate=2013-10-23, MountType=SMT, PackageReference=SOD-123, PartNumber=1N4148W-7-F, Published=2008-06-26, Publisher="Texas Instruments", RoHS=Y, Supplier 1=Digi-Key, Supplier 2=Mouser, Supplier 3=Farnell, Supplier Part Number 2=621-1N4148W-F, Supplier Part Number 3=1776392, SymbolVersion=2008-12-08, TJmax_C=150, Type=Ultrafast, U/M=EA, Vf_V=1.25, Vr_V=100
D9 D11 D13 D14 D15 D18 D19 D20 D21 D22 D24 D25 D26 D27 D28: "Diode, Zener, 5.6V, 200mW, SOD-323", Manufacturer="Diodes Inc.", Power_W=0.2, Supplier Part Number 1=MMSZ5232BS-FDICT-ND, Value1=0.2W, ComponentLink1Description="Datasheet link", ComponentLink1URL=http://www.diodes.com/datasheets/ds31038.pdf, CompType=Zener, LatestRevisionDate=2013-02-11, LatestRevisionNote="Updated Supplier Data", MountType=SMT, PackageReference=SOD-323, PartNumber=MMSZ5232BS-7-F, Published=2008-10-08, Publisher="Texas Instruments", RJA_CperW=350, RoHS=Y, Supplier 1=Digi-Key, Supplier 2=Mouser, Supplier Part Number 2=621-MMSZ5232BS-F, SymbolVersion=2010-08-25, U/M=EA, Vr_V=N/A, Vz_V=5.6
D12 DDNP1: "Diode, Zener, 3.9 V, 200 mW, SOD-323", Manufacturer="Diodes Inc.", Power_W=0.2, Supplier Part Number 1=MMSZ5228BS-FDICT-ND, Value1=0.2W, AEC Category=Q101, AEC Qualified=?, ComponentLink1Description="Datasheet link", ComponentLink1URL=http://www.diodes.com/datasheets/ds31038.pdf, CompType=Zener, LatestRevisionDate=2016-04-07, LatestRevisionNote="Updated Supplier Data", MountType=SMT, PackageReference=SOD-323, PartNumber=MMSZ5228BS-7-F, Published=2008-10-08, Publisher="Texas Instruments", RJA_CperW=350, RoHS=Y, Supplier 1=Digi-Key, Supplier 2=Mouser, Supplier Part Number 2=621-MMSZ5228BS-F, SymbolCreator=a0412235, SymbolVersion=2010-08-25, U/M=EA, Vr_V=N/A, Vz_V=3.9
D30: "LED G"
D31 D32: "LED Y"
D33 D34: "LED R"
D35: "Dual Line CAN Bus Protector TVS DIODE 24VWM 44VC SOT23-3"
E1: library part SparkGap, "Spark Gap", Alternate Manufacturer=-, Alternate PartNumber=-, CompType="Spark Gap", LatestRevisionDate=2013-12-05, LatestRevisionNote="Added Alternate PartNumber and Alternate Manufacturer parameters to appropriate components.", Manufacturer=N/A, MountType=N/A, PartNumber=N/A, Publisher="Texas Instruments", SymbolCreator=a0412235, SymbolVersion=2013-07-11
FID1 FID2 FID3 FID4: library part Fiducial_1, "Fiducial mark.  There is nothing to buy or mount.", Manufacturer=N/A, ClassName=FiducialMark, CompType=Fiducial, LatestRevisionDate=2014-08-01, LatestRevisionNote="Added Alternate PartNumber and Alternate Manufacturer parameters to appropriate components.", MountType=N/A, PackageReference=Fiducial, PartNumber=N/A, Publisher="Texas Instruments", SymbolCreator=codlsc, SymbolVersion=2009-11-4
H1 H2 H3 H4: "Machine Screw, Round, #4-40 x 1/4, Nylon, Philips panhead", DigiKeyPartNumber=H542-ND, Manufacturer="B&F Fastener Supply", ClassName="Mounting Holes", ComponentLink1Description="Datasheet Link", ComponentLink1URL=http://www.fasnetdirect.com/refguide/Nylpanms.pdf, CompType=Hardware, LatestRevisionDate=2015-07-23, MountType=N/A, PackageReference=Screw, PartNumber="NY PMS 440 0025 PH", Publisher="Texas Instruments", RoHS=Y, Supplier 1=Digi-Key, Supplier Part Number 1=H542-ND, SymbolCreator=codlsc, SymbolVersion=2009-10-28, U/M=EA
H5 H6 H7 H8: "Standoff, Hex, 0.5\"L #4-40 Nylon", Alternate Manufacturer=-, Manufacturer=Keystone, Supplier Part Number 1=1902CK-ND, Alternate PartNumber=-, ComponentLink1Description="Datasheet Link", ComponentLink1URL=http://www.keyelco.com/pdfs/M55-prod31.pdf, CompType=Hardware, LatestRevisionDate=2012-06-27, LatestRevisionNote="Initial Version", MountType=N/A, PackageReference=Standoff, PartNumber=1902C, Publisher="Texas Instruments", RoHS=Y, Supplier 1=Digi-Key
IC1: "High-speed CAN transceiver"
J1 J2 J3 J4: "Connector, L Type Copper Single Conductor, TH", Manufacturer="Thomas & Betts", ComponentLink1Description="Datasheet URL", ComponentLink1URL=http://www.tnb.com/ps/fulltilt/index.cgi?check=Y&part=L35, CompType=Connector, ContactFinish=Copper, Gender=Female, LatestRevisionDate=2016-07-21, MountType=TH, Orientation=Vertical, PackageReference="Connector, L Type Copper Single Conductor, TH", PartNumber=L35, PinCount=1, Publisher="Texas Instruments", RoHS=N, Row_Count=1, SymbolCreator=a0799628, SymbolVersion=2014-1-06
J5: library part 395021016, "Terminal block, 3.5mm, 16x1, R/A, TH", Manufacturer=Molex, Supplier Part Number 1=WM7779-ND, ComponentLink1Description="Datasheet Link", ComponentLink1URL=http://www.molex.com/pdm_docs/sd/395021002_sd.pdf, CompType="Terminal Block", LatestRevisionDate=2015-02-18, MountType=TH, PackageReference="39.90x7.03x9.33 mm", PartNumber=395021011, Publisher="Texas Instruments", RoHS=Y, Supplier 1=Digi-Key, Supplier 2=Mouser, Supplier Part Number 2=538-39502-1011, SymbolCreator=a0799628, SymbolVersion=2013-12-22, U/M=EA
J6: "PAD10-2X05-HH"
J7: "Micro-Fit 3.0 43045 / CONN HEADER VERT 12POS 3MM", Package=None, Availability=Unavailable, MP=430451012, Price=None
L1 L2 L3 L4: "Ferrite Bead, 220 ohm @ 100 MHz, 2.5 A, 0603", Manufacturer=MuRata, Supplier Part Number 1=490-5225-1-ND, Value1="0.04 ohm", Value2=2.5A, ComponentLink1Description="Datasheet link", ComponentLink1URL=http://search.murata.co.jp/Ceramy/image/img/PDF/ENG/L0110S0100BLM18S.pdf, CompType="Ferrite Bead", DCR_ohm=0.04, Imax_A=2.5, LatestRevisionDate=2015-05-26, MountType=SMT, PackageReference=0603, PartNumber=BLM18SG221TN1D, Published=2014-04-30, Publisher="Texas Instruments", RoHS=Y, Supplier 1=Digi-Key, Supplier 2=Mouser, Supplier 3=Farnell, Supplier Part Number 2=81-BLM18SG221TN1D, Supplier Part Number 3=1515753, SymbolVersion=2009-06-02, ZTyp@100MHz_Ohm=220
L5: library part BLM18KG102SN1D, "BLM18KG102SN1D 1K"
LOGO1 LOGO2 LOGO4 LOGO5: library part IEC_HighVoltage, "IEC 61010-1 High Voltage Warning", LatestRevisionDate=2016-03-21, Published=2009-03-03, Publisher="Texas Instruments", SymbolCreator=a0412235, SymbolVersion=2011-08-22
LOGO3: library part IEC_HotSurface, "IEC 61010-1 Hot Surface Warning", LatestRevisionDate=2016-03-21, Published=2009-03-03, Publisher="Texas Instruments", SymbolCreator=a0412235, SymbolVersion=2011-08-22
NT1 NT2: "Single point connection between nets.", LatestRevisionDate=2015-10-18, LatestRevisionNote="Added Alternate PartNumber and Alternate Manufacturer parameters to appropriate components.", MountType=SMT, PackageReference=N/A, Publisher="Texas Instruments", SymbolCreator=codlsc, SymbolVersion=2009-07-01
Q1 Q6 Q26: "MOSFET, P-CH, -100V, -0.6A, SOT-23", Alternate Manufacturer=None, Manufacturer="Diodes Inc.", Supplier Part Number 1=ZXMP10A13FCT-ND, Value1="1 ohm", Value2="3.5 nC", ChType=P, ComponentLink1Description="Datasheet link", ComponentLink1URL=http://www.diodes.com/datasheets/ZXMP10A13F.pdf, CompType=MOSFET, IdsMax_A=-0.6, LatestRevisionDate=2013-12-01, LatestRevisionNote="Added parts.", MountType=SMT, PackageReference=SOT-23, PartNumber=ZXMP10A13FTA, Published=2008-06-19, Publisher="Texas Instruments", QgTyp_nC=3.5, Rdson45_Ohm=1, RoHS=Y, Supplier 1=Digi-Key, Supplier 2=Mouser, Supplier 3=Farnell, Supplier Part Number 2=522-ZXMP10A13FTA, Supplier Part Number 3=1843777, SymbolVersion=2008-07-09, U/M=EA, VdsMax_V=-100, Vgs_V=-4
Q2 Q3 Q4 Q5: "MOSFET, N-CH, 100 V, 200 A, KTT0002A", Alternate Manufacturer=None, Manufacturer="Texas Instruments", Supplier Part Number 1=296-41136-1-ND, Value1="? ohm", Value2="118 nC", AEC Category=Q101, AEC Qualified=?, ChType=N, ComponentLink1Description="Datasheet link", ComponentLink1URL=http://www.ti.com/lit/ds/symlink/csd19536ktt.pdf, CompType=MOSFET, IdsMax_A=200, LatestRevisionDate=2016-02-08, LatestRevisionNote="Added parts.", MountType=SMT, PackageReference=KTT0002A, PartNumber=CSD19536KTT, Published=2008-06-19, Publisher="Texas Instruments", QgTyp_nC=118, RoHS=Y, Supplier 1=Digi-Key, Supplier 2=Mouser, Supplier Part Number 2=595-CSD19536KTT, SymbolVersion=2008-07-28, U/M=EA, VdsMax_V=100, Vgs_V=20
Q7 Q11 Q27: "MOSFET, N-CH, 100V, 0.17A, SOT-23", Alternate Manufacturer=None, Manufacturer="Fairchild Semiconductor", Supplier Part Number 1=BSS123NCT-ND, Value1="10 ohm", Value2="1.8 nC", ChType=N, ComponentLink1Description="Datasheet link", ComponentLink1URL=http://www.fairchildsemi.com/ds/BS/BSS123.pdf, CompType=MOSFET, IdsMax_A=0.17, LatestRevisionDate=2013-10-21, LatestRevisionNote="Added parts.", MountType=SMT, PackageReference=SOT-23, PartNumber=BSS123, Published=2008-06-19, Publisher="Texas Instruments", QgTyp_nC=1.8, Rdson45_Ohm=10, RoHS=Y, Supplier 1=Digi-Key, Supplier 2=Mouser, Supplier 3=Farnell, Supplier Part Number 2=512-BSS123, Supplier Part Number 3=9845321, SymbolVersion=2008-07-28, U/M=EA, VdsMax_V=100, Vgs_V=20
Q8 Q9 Q10 Q12 Q13 Q15 Q16 Q17 Q19 Q20 Q21 Q22 Q23 Q24 Q25: "MOSFET, N/P-CH, 12 V, 2.1 A, 1.0x0.35x0.6mm", Alternate Manufacturer=None, Manufacturer="Texas Instruments", Supplier Part Number 1=CSD13381F4-ND, Value1="0.14 ohm", Value2="1.06 nC", ChType=N, ComponentLink1Description="Datasheet link", ComponentLink1URL=http://www.ti.com/lit/ds/symlink/csd13381f4.pdf, CompType=MOSFET, IdsMax_A=2.1, LatestRevisionDate=2015-02-19, LatestRevisionNote="Added parts.", MountType=SMT, PackageReference=1.0x0.35x0.6mm, PartNumber=CSD13381F4, Published=2008-06-19, Publisher="Texas Instruments", QgTyp_nC=1.06, Rdson45_Ohm=0.14, RoHS=Y, Supplier 1=Digi-Key, Supplier 2=Mouser, Supplier 3=Newark, Supplier Part Number 2=595-CSD13381F4, Supplier Part Number 3=11X3112, SymbolCreator=a0411947, SymbolVersion=2013-11-21, U/M=EA, VdsMax_V=12, Vgs_V=8
Q14: "MOSFET, N-CH, 100 V, 0.19 A, SOT-23", Alternate Manufacturer=None, Manufacturer="NXP Semiconductor", Supplier Part Number 1=568-6229-1-ND, Value1="10 ohm", Value2="? nC", AEC Category=Q101, AEC Qualified=?, ChType=N, ComponentLink1Description="Datasheet link", ComponentLink1URL=http://www.nxp.com/documents/data_sheet/BST82.pdf, CompType=MOSFET, IdsMax_A=0.19, LatestRevisionDate=2016-03-03, LatestRevisionNote="Added parts.", MountType=SMT, PackageReference=SOT-23, PartNumber=BST82,215, Published=2008-06-19, Publisher="Texas Instruments", Rdson45_Ohm=10, RoHS=Y, Supplier 1=Digi-Key, Supplier 2=Mouser, Supplier 3=Newark, Supplier Part Number 2=771-BST82215, Supplier Part Number 3=75R4704, SymbolVersion=2008-07-28, U/M=EA, VdsMax_V=100, Vgs_V=20
Q18: library part "ZXTN19100CZTA, Diodes Inc.", "Transistor, NPN, 100 V, 5.25 A, SOT-89", Manufacturer="Diodes Inc.", Supplier Part Number 1=ZXTN19100CZCT-ND, Value1="5.25 A", Value2=500, AEC Category=Q101, AEC Qualified=?, ComponentLink1Description="Datasheet link", ComponentLink1URL=http://www.diodes.com/datasheets/ZXTN19100CZ.pdf, CompType=BJT, HfeMax=500, IcRated_A=5.25, LatestRevisionDate=2016-02-25, MountType=SMT, NPN=1, PackageReference=SOT-89, PartNumber=ZXTN19100CZTA, PNP=0, Published=2008-07-31, Publisher="Texas Instruments", RoHS=Y, Supplier 1=Digi-Key, Supplier 2=Mouser, Supplier Part Number 2=621-ZXTN19100CZTA, SymbolCreator=a0412235, SymbolVersion=2009-09-01, TaMax_C=150, TaMin_C=-55, U/M=EA, Vceo_V=100, Vcesat1_V=0.21
R1 R2 R3 R4 R5 R6 R7 R8 R9 R10 R11 R12 R13 R14 R15 R16 R17 R18 R19 R20 R21 R22 R23 R24 R25 R26 R27 R28 R29 R30 R31 R32 R33 R34 R35 R36 R37 R38 R39 R40 R41 R42 R43 R44 R45 R46 R47 R48 R49 R50 R51 R52 R53 R54 R55 R56 R57 R58 R59 R60 R61 R62 R63 R64 R65 R66 R67 R68 R69 R70 R71 R72 R73 R74 R75 R76 R77 R78 R79 R82 R83 R84 R85 R86 R87 R88 R89 R90 R91 R92 R93 R94 R95 R96 R97 R98 R99 R100 R101 R102 R103 R104 R105 R106 R107 R108 R109 R110 R111 R112 RDNP1 RDNP2 RDNP3 RDNP4 RDNP5 RDNP6 RDNP7 RDNP8 RDNP9 RDNP10 RDNP11 RDNP12: library part Res, "Resistor"
R80 R81: library part "Res 0805_HV", "Resistor"
RT1 RT2 RT3: "Thermistor NTC, 10.0k ohm, 1%, Disc, 5x8.4 mm", Manufacturer="SEMITEC Corporation", Power_W=0.01, Supplier Part Number 1=954-103AT-2, Tolerance_%=1, ComponentLink1Description="Datasheet link", ComponentLink1URL=http://www.semitec.co.jp/english2/products/pdf/AT_Thermistor.pdf, CompType=ThermistorNTC, LatestRevisionDate=2013-08-16, MountType=TH, PackageReference="Disc, 5x8.4 mm", PartNumber=103AT-2, Published=2009-09-22, Publisher="Texas Instruments", RoHS=Y, Series=AT, Supplier 1=Mouser, SymbolVersion=2008-11-25, TaMax_C=110, TaMin_C=-50, U/M=EA
S1: "SWITCH TACTILE SPST-NO 0.05A 12V"
U1: "bq76200: Low-Power, High-Side N-channel FET Driver with Pack Voltage Monitor, PW0016A", Alternate Manufacturer="Texas Instruments", Alternate PartNumber=BQ76200PW, ComponentLink1Description="Datasheet Link", ComponentLink1URL=http://www.ti.com/lit/ds/symlink/bq76200.pdf, CompType=IC, LatestRevisionDate=2016-06-17, Manufacturer="Texas Instruments", MountType=SMT, PackageDescription=TSSOP-16, PackageReference=PW0016A, PartNumber=BQ76200PWR, Publisher="Texas Instruments", RoHS=Y, SizeArea_mm2=32, SizeAreaWB_mm2=58.8, SizeX_mm=6.4, SizeY_mm=5, SizeZ_mm=1.2, SymbolCreator=x0208325, SymbolVersion=2013-12-26, U/M=EA
U2: "Battery Monitor for Lithium-Ion and Phosphate Battery Packs, DBT0044A", Alternate Manufacturer="Texas Instruments", Alternate PartNumber=BQ7694000DBT, ComponentLink1Description="Datasheet Link", ComponentLink1URL=http://www.ti.com/lit/gpn/bq76920, CompType=IC, LatestRevisionDate=2016-02-12, Manufacturer="Texas Instruments", MountType=SMT, PackageReference=DBT0044A, PartNumber=BQ7694000DBTR, Publisher="Texas Instruments", RoHS=Y, SymbolCreator=a0412235, SymbolVersion=2012-12-21, U/M=EA
U3: "CEDV Li-Ion Gas Gauge and Battery Management Controller Companion to the bq769x0 Battery Monitoring AFE, DBT0030A", Alternate Manufacturer="Texas Instruments", Alternate PartNumber=BQ78350DBT-R1, ComponentLink1Description="Datasheet Link", ComponentLink1URL=http://www.ti.com/lit/ds/symlink/bq78350-r1.pdf, CompType=IC, LatestRevisionDate=2016-04-08, Manufacturer="Texas Instruments", MountType=SMT, PackageReference=DBT0030A, PartNumber=BQ78350DBTR-R1, Publisher="Texas Instruments", RoHS=Y, SymbolCreator=x0208325, SymbolVersion=2013-11-18, U/M=EA
U4 U5: "ESD Protection in 0402 Package with 10 pF Capacitance and 6 V Breakdown, 1 Channel, -40 to +125 degC, 2-pin X2SON (DPY)", Alternate Manufacturer="Texas Instruments", Alternate PartNumber=Equivalent, Breakdown Voltage(Min)(V)=6, IO Capacitance(Typ)(pF)=10, Supplier Part Number 1=N/A, ComponentLink1Description=Datasheet, ComponentLink1URL=http://www.ti.com/general/docs/lit/getliterature.tsp?genericPartNumber=TPD1E10B06&fileType=pdf, ComponentLink2Description="URL Link1", ComponentLink2URL=SamplesURL:http://www.ti.com/product/tpd1e10b06#samples, DatasheetVersion=SLLSEB1, Eco-Plan=TBD, IEC 61000-4-2 Air-Gap(+/- kV)=30, IEC 61000-4-2 Contact(+/- kV)=30, IO Leakage Current(nA)=10, Manufacturer="Texas Instruments", MountType=SMT, PackageDescription="2-Pin Plastic Small Outline No-Lead 1.0 x 0.6 x 0.4 mm Body", PackageReference=DPY0002A, PackageVersion="revA, Apr-2010", PartNumber=TPD1E10B06DPYT, SubFamily="ESD Solution", Supplier 1=Mouser
U6: "ARM® Cortex®-M0+ series Microcontroller IC 32-Bit Single-Core 48MHz 256KB (256K x 8) FLASH 64-LQFP (10x10)"

## Via types
v1: diameter 0.6, hole 0.3, Top Layer to Bottom Layer, tented both sides, 380 vias
v2: diameter 0.8, hole 0.4, Top Layer to Bottom Layer, tented both sides, 141 vias

## Nets (pads, with @x,y where several pads share a name; then routed paths per layer and width w, separated by ;. In a path a pad name is that pad's centre, name@x,y a point inside that pad or via, vN(x,y) a via of type N, cw(c..) or ccw(c..) an arc to the next point about the centre after c; other vN are vias at no path point)
\K\E\Y\: R95.2 U6.1 | length 7.5
  Top Layer w0.254: R95.2@83.045,108.356 83.045,101.687 U6.1@83.922,101.687
\P\R\E\S\S: R94.2 U6.60 | length 18.5
  Top Layer w0.254: R94.2@86.652,112.878 87.63,112.878 87.63,110.388 84.684,110.388 84.684,109.667 84.681,109.665 84.681,108.444 84.684,108.442 84.684,108.017 84.681,108.015 84.681,106.794 84.684,106.792 84.684,104.496 85.319,104.496 85.319,102.591 87.909,102.591 U6.60@87.91,103.675
\R\E\S\E\T\: J6.10 R109.1 U6.63 | length 31.7
  Top Layer w0.254: U6.63@86.41,103.675 86.41,105.231 87.046,105.867 v2(87.046,106.401) R109.1@87.046,107.404 R109.1@86.995,107.404 ; v2(100.203,107.737) 100.203,109.22 101.194,110.211 101.194,117.373 101.93,118.11 J6.10@104.394,118.11
  Bottom Layer w0.254: v2(87.046,106.401) 87.046,107.001 87.782,107.737 v2(100.203,107.737)
ALERT: C31.2 R58.2 TP12.1 U2.44 U3.2 U6.2 | length 74.9
  Top Layer w0.254: R58.2@49.416,76.708 48.717,76.708 48.717,78.486 ; C31.2@49.416,78.486 48.717,78.486 ; TP12.1@50.165,80.721 48.717,80.721 ; v2(50.825,83.109) 50.825,83.142 U2.44@49.247,83.142 48.717,83.142 48.717,80.721 ; v2(72.746,99.263) 82.372,99.263 82.372,101.194 ; U3.2@78.388,109.483 78.388,109.46 79.553,109.46 79.553,106.858 82.372,106.858 82.372,101.194 ; U6.2@83.922,101.187 83.922,101.194 82.372,101.194 ; 48.717,78.486 48.717,80.721
  Bottom Layer w0.254: v2(50.825,83.109) 63.119,83.109 63.119,99.289 63.144,99.263 v2(72.746,99.263)
B0: D28.2 J5.16 Q25.2 R1.2 R79.1 | length 44.3
  Top Layer w0.25: Q25.2@22.906,61.565 22.935,61.594 22.935,63.144
  Top Layer w0.254: 22.906,63.144 22.935,63.144
  Top Layer w0.5: 22.935,63.144 26.01,63.144 ; D28.2@26.01,62.446 26.01,63.144 ; R79.1@28.131,62.001 27.051,62.001 27.051,63.144 26.01,63.144
  Top Layer w1: R1.2@6.35,56.871 J5.16@6.35,65.823 ; v2(26.035,61.426) D28.2@26.035,62.42
  Bottom Layer w1: J5.16@6.35,65.823 6.35,61.925 9.119,59.157 23.766,59.157 v2(26.035,61.426)
B15: C8.2 D16.2 D29.1 J5.1 Q26.2 R4.2 R20.1 R22.1 R23.2 R41.2 R42.2 R82.1 | length 331.7
  Top Layer w0.5: 75.26,126.34 75.26,123.392 Q26.2@76.088,123.392 ; 75.26,126.416 75.26,126.721 76.073,126.721 D29.1@76.073,127.427 76.073,128.346 77.978,128.346 R82.1@77.978,127.419
  Top Layer w1: R4.2@9.779,34.099 v2(9.779,36.449) ; v2(11.985,123.038) 11.985,126.34 38.608,126.34 ; R22.1@39.879,119.685 38.608,119.685 38.608,121.488 ; R20.1@39.879,121.463 39.879,121.488 38.608,121.488 ; R41.2@51.645,117.348 51.645,119.482 ; v2(59.131,111.227) 58.255,111.227 58.255,113.429 56.755,113.429 R42.2@56.755,114.935 56.755,115.725 54.229,115.725 D16.2@54.229,117.842 54.229,119.482 51.645,119.482 ; v2(63.856,106.883) 65.1,106.883 65.1,96.495 70.447,96.495 ; 70.447,96.52 70.447,96.495 ; 75.26,126.416 75.26,126.34 51.645,126.34 ; C8.2@78.257,88.112 70.46,88.112 70.46,96.482 70.447,96.495 ; 38.608,121.488 38.608,126.34 ; 38.608,126.34 51.645,126.34 ; 51.645,119.482 51.645,126.34
  Bottom Layer w0.75: v2(9.779,36.449) 9.779,37.338 22.174,37.338 22.174,50.775 51.867,50.775 51.867,57.658 49.403,57.658
  Bottom Layer w1: J5.1@6.35,118.323 2.54,118.323 2.54,57.658 49.403,57.658 ; v2(59.131,111.227) 59.131,106.883 v2(63.856,106.883)
BAT: C45.2 R87.2 R89.1 U3.7 | length 24.5
  Top Layer w0.254: R89.1@70.866,103.91 70.866,103.2 72.39,103.2 C45.2@72.39,103.91 72.39,105.816 74.549,105.816 74.549,111.983 ; R87.2@73.799,118.681 74.549,118.681 74.549,111.983 ; U3.7@78.388,111.983 74.549,111.983
"BAT FETS": C5.1 C6.2 R12.1 U1.2 | length 31.8
  Top Layer w0.3: 90.653,67.793 U1.2@92.764,67.793
  Top Layer w0.381: U1.2@92.764,67.793 U1.2@92.764,67.819 92.764,67.843 95.402,67.843
  Top Layer w0.5: R12.1@80.035,66.205 80.035,67.005 81.026,67.005 81.026,64.008 86.868,64.008 90.653,67.793 ; 95.402,67.843 95.402,71.907 96.799,71.907 ; C5.1@96.799,70.269 96.799,71.907 ; C6.2@99.085,70.269 99.085,71.907 96.799,71.907